# Altium PCB WunderBar_v102b.PcbDoc (part 6 of 7) (continued)
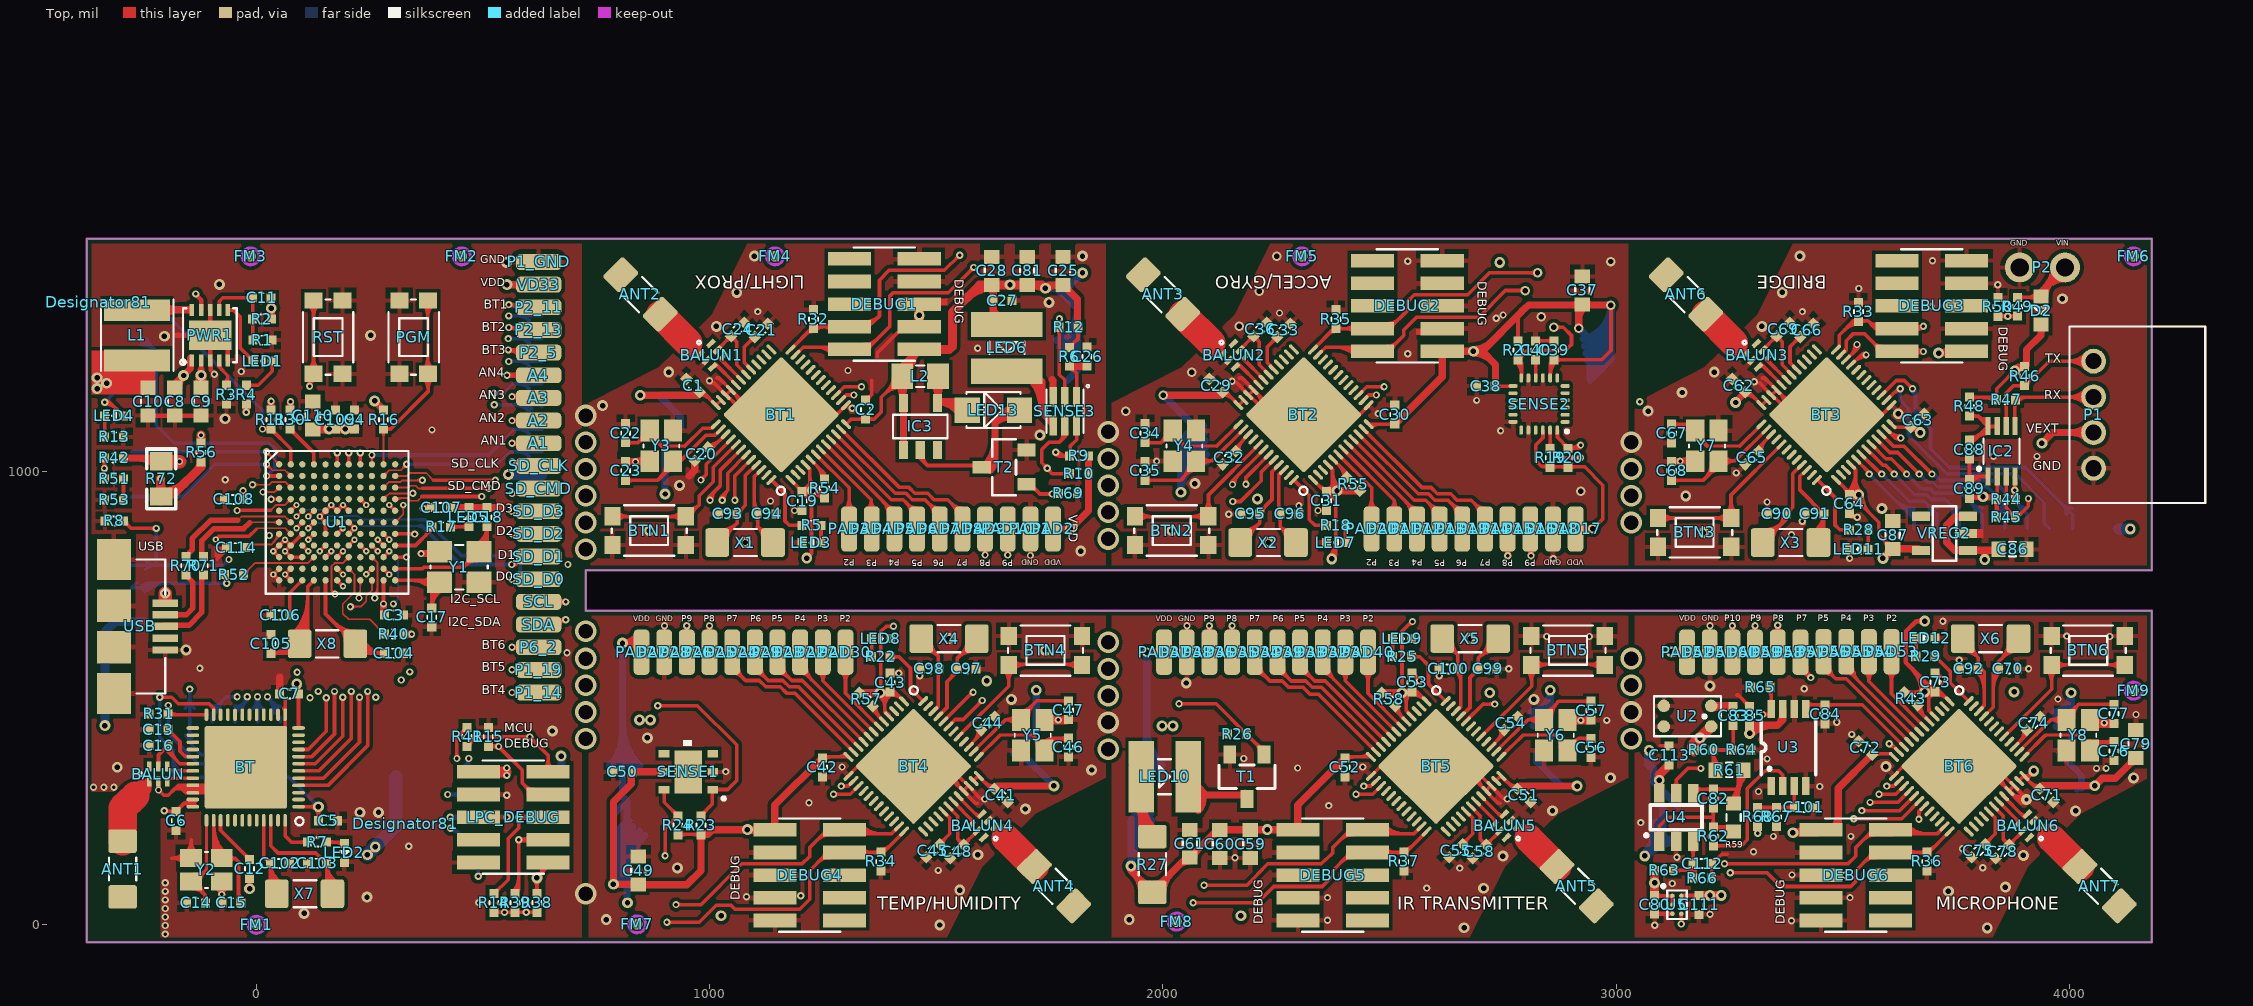
[diagram p0: Top view]
## Nets (pads, with @x,y where several pads share a name; then routed paths per layer and width w, separated by ;. In a path a pad name is that pad's centre, name@x,y a point inside that pad or via, vN(x,y) a via of type N, cw(c..) or ccw(c..) an arc to the next point about the centre after c; other vN are vias at no path point) (continued)
  Top w20: C110.1@131.38,1093.62 C109.1@173.46,1093.62 ; C109.1@174.11,1093.62 C4.1@216.76,1093.62 ; DEBUG1.1@1434.48,1269.48 1527.48,1269.48 1535.48,1276.48 1535.48,1351.48 1595.48,1411.48 1622.48,1411.48 v2@1733.48,1411.48 ; 1568.91,1384.91 cw(c1620.98,1332.85) C28.1@1620.98,1406.48 ; 1718.75,1411.48 cw(c1718.75,1382.75) v2@1739.07,1403.07 ; v2(3121.86,602) 3122.38,601.48 PAD52.1@3156.5,601.48 ; PAD52.1@3151.19,596.18 ccw(c3138.39,583.37) 3138.39,601.48 ccw(c3138.39,619.59) PAD52.1@3151.19,606.78 ; C111.1@3183,65 v2(3207,65) v2(3232,65) ; v7(3681,513.91) C73.1@3703.38,513.91
  Top w24: LPC_DEBUG.1@489.71,337.48 550,337.48
  Route2 w16: v2(1025,20) 1025,98 1083,156 v7(1083,210) ; v2(2172,20) 2172,98 2230,156 v7(2230,210) ; v7(2685,1265.48) 2685,1319.48 2743,1377.48 v2(2743,1461.48)
  Route2 w20: v2@1212.59,810.41 ccw(c1180.2,842.8) 1226,842.8 ; v2(1214,809) 1226,821 v7(1226,957.95) ; v7(1375.78,511.87) 1536.27,511.87 1562.4,538 v2(1611.27,538) ; v2(2208.5,939.77) 2226.5,957.77 v7(2384,957.77) ; v7(2527.48,512.02) v2(2720.98,512.02) ; v2(3232,65) 3279,65 3390,176 v7(3390,203)
  Route2 w24: v4(726.48,410.48) 793.48,410.48 835,452 v2(869,452) ; v4@732.49,404.47 cw(c747,389.96) 747,410.48 cw(c747,431) v4@732.49,416.49 ; 827.93,444.93 cw(c845,427.86) v2(845,452) ; v4(1879.48,387.48) 1946.48,387.48 v2(1998,439) v2(2022,439) ccw(c2022,381.06) 1981.03,422.03 ; v4@1885.49,381.47 cw(c1900,366.96) 1900,387.48 cw(c1900,408) v4@1885.49,393.49 ; v7(3681,513.91) v2@3878,513.91
  Route15 w4: 96.49,913.6 99.6,913.6 101.68,915.68 124.58,915.68 125.77,914.48
  Route15 w8: 125.77,914.48 v3(139.4,900.86)
  Bottom w8: WIFI.31@-157.42,477.88 ccw(c-181.32,501.78) -147.52,501.78 ccw(c-113.72,501.78) WIFI.31@-137.62,477.88 ; WIFI.31@-155.76,417.66 cw(c-167.53,401.48) -147.52,401.48 ; v1@-150.35,517.17 cw(c-157.18,510.34) -147.52,510.34 cw(c-137.86,510.34) v1@-144.69,517.17 ; v1(-147.52,520) WIFI.31@-147.52,448.48 -147.52,401.48 ; WIFI.31@-139.28,417.66 ccw(c-127.51,401.48) -147.52,401.48 ; -59.56,351.52 ccw(c-23.25,387.83) NRF_DEBUG.1@-23.25,336.48 ; -45.9,337.86 ccw(c-23.25,360.52) NRF_DEBUG.1@-23.25,328.48 ; NRF_DEBUG.1@49.53,317.7 cw(c68.31,298.92) 68.31,325.48 cw(c68.31,352.04) NRF_DEBUG.1@49.53,333.26 ; v2@128.48,260.48 ccw(c109.17,260.48) 122.82,274.14 ccw(c136.48,287.79) v2@136.48,268.48 ; v2(136.48,260.48) 71.48,325.48 -33.52,325.48 -83.52,375.48 -122.52,375.48 -147.52,401.48 ; WIFI_DEBUG.1@602.48,328.48 634.48,328.48 WIFI_DEBUG.1@643.48,337.48
  Bottom w16: WIFI_DEBUG.1@672.04,336.18 v2(672.04,372.33) ; v2@672.04,363.35 ccw(c701.62,363.35) WIFI_DEBUG.1@680.7,342.43 ; 673.74,356.98 cw(c690.74,361.54) v2@675.5,370.33 ; BAT4.+2@778.97,351.98 ccw(c710.13,420.81) 807.48,420.81 ; v2@787.48,85.01 cw(c907.91,85.01) BAT4.+2@846.96,188.88 ; v2(787.48,89.48) 787.48,243.48 BAT4.+2@817.48,273.48 ; 787.48,112.95 cw(c891.52,112.95) BAT4.+2@838.86,202.68 ; 787.48,140.89 cw(c875.12,140.89) BAT4.+2@830.76,216.48 ; 787.48,168.83 cw(c858.72,168.83) BAT4.+2@822.66,230.27 ; BAT4.+2@789.94,196.18 cw(c723.44,129.68) 817.48,129.68 ; BAT4.+2@790.28,340.66 ccw(c748.76,382.18) 807.48,382.18 ; BAT4.+2@801.25,207.49 cw(c762.06,168.31) 817.48,168.31 ; 807.48,404.98 ccw(c898.44,404.98) BAT4.+2@834.12,340.66 ; 807.48,443.61 ccw(c937.07,443.61) BAT4.+2@845.44,351.98 ; v2(807.48,621.48) 807.48,283.48 BAT4.+2@817.48,273.48 ; 817.48,60.55 ccw(c830.55,60.55) v2@821.31,51.31 ; 817.48,102.21 cw(c950.37,102.21) BAT4.+2@856.4,196.18 ; 817.48,140.84 cw(c911.75,140.84) BAT4.+2@845.09,207.49 ; v2(818.48,48.48) 817.48,50.48 BAT4.+2@817.48,273.48 ; v2(846.48,1168.48) 887.48,1168.48 935.48,1120.48 935.48,1096.48 901.48,1062.48 v2(901.48,950.48) ; v2(1720.48,517.48) 1720.48,428.48 1670.48,378.48 1687.48,378.48 v2(1759.48,306.48) ; BAT1.+2@1765.4,1289.8 ccw(c1735.77,1359.48) 1811.48,1359.48 ; BAT1.+2@1771.66,1275.08 ccw(c1746.05,1335.28) 1811.48,1335.28 ; BAT1.+2@1777.92,1260.35 ccw(c1756.34,1311.09) 1811.48,1311.09 ; BAT1.+2@1789.48,1201.48 1811.48,1223.48 1811.48,1359.48 ; v2(1822.48,1438.48) 1789.48,1404.48 v2(1740.48,1404.48) 1765.48,1404.48 1811.48,1359.48 ; v2(1929.48,129.48) 1929.48,232.48 1970.48,273.48 1964.48,280.48 v8(1964.48,601.48) ; v2@1929.48,137.95 cw(c1991.16,137.95) BAT5.+2@1981.18,198.82 ; 1929.48,156.79 cw(c1988.07,156.79) BAT5.+2@1978.6,214.61 ; BAT5.+2@1929.48,175.62 cw(c1984.99,175.62) BAT5.+2@1976.01,230.4 ; BAT5.+2@1929.48,194.46 cw(c1981.9,194.46) BAT5.+2@1973.42,246.19 ; 1931.23,144.49 ccw(c1947.79,140.05) v2@1932.94,131.48 ; BAT5.+2@1931.97,351.98 ccw(c1853.47,430.47) 1964.48,430.47 ; BAT5.+2@1943.28,340.66 ccw(c1892.1,391.84) 1964.48,391.84 ; 1964.48,395.32 ccw(c2041.78,395.32) BAT5.+2@1987.12,340.66 ; 1964.48,433.95 ccw(c2080.41,433.95) BAT5.+2@1998.44,351.98 ; v6(2000.48,1168.48) 2072.48,1096.48 2088.48,1096.48 2039.48,1047.48 v2(2039.48,954.48) ; v2@2039.48,957.9 cw(c2103.45,957.9) BAT2.+1@2097.2,1021.56 ; 2039.48,975.54 cw(c2101.72,975.54) BAT2.+1@2095.64,1037.48 ; 2039.48,993.19 cw(c2099.98,993.19) BAT2.+1@2094.07,1053.41 ; 2039.48,1010.84 cw(c2098.25,1010.84) BAT2.+1@2092.51,1069.33 ; 2039.48,1028.49 cw(c2096.52,1028.49) BAT2.+1@2090.94,1085.25 ; 2039.48,1046.14 cw(c2094.79,1046.14) BAT2.+1@2089.38,1101.18 ; BAT5.+1@2812.83,470.17 ccw(c2806.79,517.48) v2(2854.48,517.48) 2854.48,408.48 2824.48,378.48 2824.48,360.48 2878.48,306.48 v2@2913.48,306.48 ; BAT5.+1@2814.86,454.3 ccw(c2809.11,499.3) 2854.48,499.3 ; BAT5.+1@2816.89,438.43 ccw(c2811.43,481.13) BAT5.+1@2854.48,481.13 ; v6(2917.48,1316.48) 2942.48,1291.48 2942.48,1201.48 2988.48,1247.48 v6(2988.48,1367.48) cw(c2912.05,1367.48) BAT2.+2@2927.37,1292.59 ; BAT2.+2@2930.58,1276.92 ccw(c2916.06,1347.87) 2988.48,1347.87 ; BAT2.+2@2933.78,1261.24 ccw(c2920.07,1328.27) 2988.48,1328.27 ; BAT2.+2@2936.99,1245.57 ccw(c2924.08,1308.66) 2988.48,1308.66 ; BAT2.+2@2940.2,1229.89 ccw(c2928.09,1289.05) 2988.48,1289.05 ; BAT2.+2@2943.41,1214.22 ccw(c2932.11,1269.45) BAT2.+2@2988.48,1269.45 ; BAT3.+2@3073,354 3083,344 3083,314.76 BAT3.+2@3124.69,273.08 BAT3.+2@3136,261.76 ; BAT3.+2@3103,192 BAT3.+2@3103,257.76 ; BAT3.+1@3966.52,469.13 ccw(c3960.74,512) v2(4004,512) 4004,403.61 BAT3.+1@3978.28,377.88 4027,329.16 4027,302 4031.86,306.86 v2(4056.1,306.86) ; BAT3.+1@3968.65,453.27 ccw(c3963.21,493.7) 4004,493.7 ; BAT3.+1@3970.79,437.41 ccw(c3965.67,475.4) BAT3.+1@4004,475.4 ; BAT3.+1@4016.99,299.99 cw(c4033.6,283.38) BAT3.+1@4033.6,306.86
  Bottom w20: v2(-334.52,439.48) -334.52,646.48 -312,669 ; -313.13,667.87 ccw(c-338.73,693.48) WIFI.34@-302.52,693.48 ; WIFI.34@-302.51,693.18 cw(c-334.95,691.96) -312,669 ; -246,669 -312,669
  Bottom w24: v2(555.48,993.48) WIFI.9@630.48,993.48 ; 3072.54,161.54 cw(c3130.17,103.91) BAT3.+2@3130.17,185.41 ; BAT3.+2@3073,354 v2(3073,384.7) ; BAT3.+2@3087.49,223.16 cw(c3002.33,212.67) v2(3063,152) BAT3.+2@3103,192 ; PAD47.1@4107.13,873.48 v2(4134.48,873.48)
  other v1: -203.52,251.48 552,329.52 552,346 280,708 -30,957.52
  other v2: 3878,514 3588.48,808.48 3809.48,944.48 160,1094 196,1094 -352,1183 -331,1195 -352,1207 32.48,1360.48 1662.46,1412.34
  other v4: 3033.48,410.48 3033.48,1005.48 1879.48,1028.48 726.48,1064.48
VD33_BUFFERED: C26.1 R6.2 SENSE3.1 | length 151.5
  Top w8: R6.2@1793.48,1226.48 cw(c1793.48,1211.99) 1803.72,1222.24 cw(c1813.97,1232.48) R6.2@1799.48,1232.48 ; R6.2@1793.48,1232.48 1809.48,1216.48 SENSE3.1@1809.48,1164.48 ; SENSE3.1@1806.65,1181.8 ccw(c1799.82,1188.63) 1809.48,1188.63 ccw(c1819.14,1188.63) SENSE3.1@1812.31,1181.8
  Top w16: R6.2@1793.48,1232.48 C26.1@1832.48,1232.48
VDOUT: C80.2 C85.2 C113.2 R60.1 R63.1 R68.1 U2.1 U3.7 U4.6 U5.1A U5.1B | length 1304.8
  Top w8: C80.2@3085,65 C80.2@3086.31,63.68 ; U2.1@3209.77,437.61 U2.1@3214.3,433.08
  Top w9: C80.2@3086.31,63.68 U5.1A@3124.16,63.68 U5.1B@3124.16,44 ; C80.2@3088.89,61.11 cw(c3095.1,54.9) 3095.1,63.69 ; C80.2@3088.89,68.89 ccw(c3101.45,81.45) 3101.45,63.68
  Top w16: C85.2@3294.4,440.03 3356.03,440.03 3367.6,451.6 U3.7@3367.6,476.32 ; v7@3297.22,419.57 cw(c3346.63,370.16) 3346.63,440.03 ; 3357.99,441.99 ccw(c3335.41,464.57) U3.7@3367.35,464.57
  Top w20: C80.2@3085,65 v2(3085,92.5) R63.1@3085,120 ; v7(3095,319) 3095,331 C113.2@3116.96,352.96 ; v7(3294.4,422.4) C85.2@3294.4,440.03
  Top w24: R60.1@3170.3,385.67 cw(c3200.41,385.67) v7@3179.12,406.96 ; R60.1@3170.62,384.59 cw(c3181.12,391.32) 3172.3,400.14 ; R60.1@3172.3,382.77 cw(c3212.29,382.77) v7(3185,412) ccw(c3190.53,394.63) R60.1@3172.3,394.63 ; R60.1@3172.3,385.67 3172.3,400.14 ; U2.1@3209.77,437.61 3172.3,400.14
  Route2 w16: 3095,224 3290.25,224 v5(3312.26,201.99)
  Route2 w24: 3095,116.64 cw(c3060.86,116.64) v2(3085,92.5) 3095,102.5 3095,224 v7(3095,319) v7@3186.5,410.5 ; v7@3187,411 3283,411 v7(3294.4,422.4) cw(c3266.88,449.91) 3266.88,411
VEXT: C86.1 D2.K P1.2 R46.2 R47.2 R48.2 VREG2.1 VREG2.3 | length 1508.3
  Top w8: R48.2@3779.48,1163.48 3834.48,1163.48 R47.2@3839.48,1158.48 3839.48,1182.48 v2(3879.48,1222.48) ; R48.2@3783.72,1160.24 cw(c3791.55,1152.41) 3791.55,1163.48 ; R48.2@3783.72,1168.72 ccw(c3796.38,1181.38) 3796.38,1163.48 ; 3812.92,1163.48 cw(c3812.92,1131.92) R47.2@3835.24,1154.24 ; R47.2@3835.24,1162.72 ccw(c3824.99,1172.97) 3839.48,1172.97 ccw(c3853.97,1172.97) R47.2@3843.72,1162.72 ; v2@3871.48,1222.48 cw(c3852.17,1222.48) 3865.82,1208.82 cw(c3879.48,1195.17) v2@3879.48,1214.48
  Top w10: 3812.48,826.16 3813.33,825.31
  Top w15.98: v2(3813.33,805.77) 3813.33,825.31
  Top w16: VREG2.1@3779.48,826.48 3746.48,826.48 3729.48,843.48 3729.48,881.48 3748.48,900.48 VREG2.3@3779.48,900.48 ; VREG2.1@3781.48,826.16 3812.48,826.16 C86.1@3843.48,826.16 ; 3823.89,826.16 ccw(c3823.89,847.07) C86.1@3838.68,832.28 ; 3827.86,826.16 cw(c3827.86,810.86) C86.1@3838.68,821.68 ; v2@3882.84,1220.31 cw(c3901.48,1208.32) R46.2@3901.48,1230.48 ; R46.2@3900.07,1232.89 ccw(c3886.99,1245.97) 3905.48,1245.97 ; R46.2@3901.16,1229.51 ccw(c3897.2,1204.76) v2(3879.48,1222.48) 3887.48,1230.48 R46.2@3901.48,1230.48 ; D2.K@3932.18,1319.18 cw(c3919.37,1306.37) 3937.48,1306.37 cw(c3955.59,1306.37) D2.K@3942.78,1319.18 ; D2.K@3937.48,1325.48 3937.48,1300.48 3905.48,1269.48 3905.48,1234.48 R46.2@3901.48,1230.48 ; v2(3939.52,1062.48) 3963.52,1086.48 P1.2@4053.58,1086.48 ; 4005.47,1086.48 cw(c4005.47,1038) P1.2@4039.75,1072.28 ; 4007.25,1086.48 ccw(c4007.25,1132.44) P1.2@4039.75,1099.94
  Route15 w15.98: v2(3813.33,805.77) 3913.92,805.77
  Route15 w16: v2(3879.48,1222.48) 3916.66,1184.8 3916,1086.48 3970.44,1032.04 3970.44,862.29 3913.92,805.77
VPOWER: D2.A P2.2 R49.2 | length 347.8
  Top w8: R49.2@3885.48,1384.48 D2.A@3927.48,1384.48 ; R49.2@3889.72,1380.24 cw(c3899.97,1369.99) 3899.97,1384.48 cw(c3899.97,1398.97) R49.2@3889.72,1388.72 ; 3904.6,1384.48 ccw(c3904.6,1417.37) D2.A@3927.85,1394.11 ; 3911.84,1384.48 cw(c3911.84,1361.84) D2.A@3927.85,1377.85
  Top w16: D2.A@3927.48,1384.48 3935.48,1384.48 3937.48,1386.48 D2.A@3937.48,1396.48 ; D2.A@3929.48,1388.48 D2.A@3937.48,1396.48 ; D2.A@3946.48,1386.05 cw(c3993.35,1386.49) 3959.9,1419.32 ; P2.2@3965.48,1450.25 cw(c3905.13,1449.68) 3948.2,1407.41 cw(c3991.28,1365.13) P2.2@3990.71,1425.48 ; P2.2@3990.48,1450.48 D2.A@3937.48,1396.48
WIFI_!RESET: R11.1 U1.A2 WIFI.47 | length 703.7
  Top w8: v1(13,1094) 13.19,1093.81 R11.1@31.7,1093.81 75.41,1050.1 U1.A2@75.41,1015.92 ; v1@15.41,1090.81 cw(c20.68,1083.84) R11.1@22.94,1092.28 ; v1@15.78,1096.88 ccw(c20.55,1101.81) R11.1@22.33,1095.18 ; v1@15.83,1091.17 cw(c22.2,1084.8) R11.1@22.2,1093.81 ; v1@15.83,1096.83 ccw(c23.11,1104.11) R11.1@23.11,1093.81 ; R11.1@27.46,1089.57 ccw(c17.21,1079.33) 17.21,1093.81 ccw(c17.21,1108.3) R11.1@27.46,1098.05 ; R11.1@31.7,1087.81 cw(c31.7,1073.33) 41.94,1083.57 cw(c52.18,1093.81) R11.1@37.7,1093.81 ; U1.A2@73.29,1018.05 ccw(c68.17,1023.17) 75.41,1023.17 ccw(c82.65,1023.17) U1.A2@77.53,1018.05
  Bottom w8: WIFI.47@-262.52,1355.48 -275.52,1343.48 -195.48,1343.48 13,1135 v1(13,1094) ; WIFI.47@-245.62,1333.58 cw(c-221.72,1309.68) -221.72,1343.48 cw(c-221.72,1377.28) WIFI.47@-245.62,1353.38 ; v1@10.17,1096.83 ccw(c3.34,1103.66) 13,1103.66 ccw(c22.66,1103.66) v1@15.83,1096.83
WIFI_ALARM1: U1.A9 WIFI.7 | length 529.1
  Top w4: v1@250.3,1032.3 cw(c240.06,1022.06) 254.55,1022.06 cw(c269.03,1022.06) v1@258.79,1032.3 ; U1.A9@251.01,1019.45 ccw(c242.47,1027.99) 254.55,1027.99 ccw(c266.62,1027.99) U1.A9@258.08,1019.45 ; U1.A9@254.55,1015.92 v1(254.55,1036.55)
  Bottom w8: v1(254.55,1036.55) 511.55,1036.55 568.48,1093.48 WIFI.7@629.48,1093.48 ; v1@257.37,1033.72 cw(c264.2,1026.89) 264.2,1036.55 cw(c264.2,1046.2) v1@257.37,1039.37 ; WIFI.7@601.08,1083.58 ccw(c577.18,1059.68) 577.18,1093.48 ccw(c577.18,1127.28) WIFI.7@601.08,1103.38
WIFI_INTF_SEL: R52.1 WIFI.35 | length 411.8
  Top w8: R52.1@-73.94,767.32 cw(c-82.3,753.19) v1@-65.89,753.19 ; R52.1@-71.37,772 R52.1@-70.89,772.48 ; v1@-68.72,756.68 ccw(c-75.55,763.51) -65.89,763.51 ccw(c-56.23,763.51) v1@-63.06,756.68 ; v1(-65.89,753.85) R52.1@-65.89,772.48
  Bottom w8: WIFI.35@-275.52,743.48 WIFI.35@-265.52,753.48 ; WIFI.35@-275.02,743.48 -255.51,743.48 -245.14,753.85 v1(-65.89,753.85) ; WIFI.35@-256.93,744.89 cw(c-235.31,723.27) -235.31,753.85 ; WIFI.35@-251.28,739.24 cw(c-216,703.96) -216,753.85 ; WIFI.35@-245.62,733.58 cw(c-196.69,684.65) -196.69,753.85 ; v1@-68.72,751.02 ccw(c-75.55,744.19) -75.55,753.85 ccw(c-75.55,763.51) v1@-68.72,756.68
WIFI_INTF_SEL2: R52.2 U1.J4 | length 221.1
  Top w4: R52.2@-29.22,772.48 -3.26,798.44 113.76,798.44 U1.J4@126.57,811.24 ; R52.2@-29.22,780.48 ccw(c-29.22,799.79) -15.56,786.14 ccw(c-1.91,772.48) R52.2@-21.22,772.48 ; U1.J4@121.57,811.24 cw(c109.5,811.24) 118.03,802.71 cw(c126.57,794.17) U1.J4@126.57,806.24
WIFI_JTAG_!NTRST: WIFI.6 WIFI_DEBUG.10 | length 1354.7
  Route2 w8: v1@485,107 ccw(c475.34,107) 482.17,113.83 ccw(c489,120.66) v1@489,111 ; v1(489,107) 469.91,126.09 469.91,338.58 485.91,354.58 485.91,374.43 473,387.34 473,957 524.48,1008.48 v1(524.48,1147.48) ; v1@521.65,1144.65 cw(c514.82,1137.82) 524.48,1137.82 cw(c534.14,1137.82) v1@527.31,1144.65
  Bottom w8: v1@486.17,109.83 ccw(c479.34,116.66) 489,116.66 ccw(c498.66,116.66) v1@491.83,109.83 ; v1(489,107) WIFI_DEBUG.10@489,137.48 ; v1(524.48,1147.48) 625.48,1147.48 WIFI.6@629.48,1143.48 ; v1@527.31,1144.65 cw(c534.14,1137.82) 534.14,1147.48 cw(c534.14,1157.14) v1@527.31,1150.31 ; 567.52,1147.48 cw(c567.52,1100.02) WIFI.6@601.08,1133.58 ; WIFI.6@601.08,1153.38 cw(c586.84,1167.62) 586.84,1147.48 cw(c586.84,1119.34) WIFI.6@606.74,1139.24
WIFI_JTAG_TCK: WIFI.2 WIFI_DEBUG.4 | length 1433
  Route2 w8: v1@417.48,287.48 ccw(c407.82,287.48) 414.65,294.31 ccw(c421.48,301.14) v1@421.48,291.48 ; v1(421.48,287.48) 393,315.96 393,395.19 403,405.19 403,967 443,1007 443,1230 v1(556.48,1343.48) ; v1@552.48,1343.48 cw(c542.82,1343.48) 549.65,1336.65 cw(c556.48,1329.82) v1@556.48,1339.48
  Bottom w8: v1(421.48,287.48) WIFI_DEBUG.4@490.48,287.48 ; v1@424.31,284.65 cw(c431.14,277.82) 431.14,287.48 cw(c431.14,297.14) v1@424.31,290.31 ; WIFI_DEBUG.4@449.2,279.7 ccw(c430.42,260.92) 430.42,287.48 ccw(c430.42,314.04) WIFI_DEBUG.4@449.2,295.26 ; v1(556.48,1343.48) WIFI.2@629.48,1343.48 ; v1@559.31,1340.65 cw(c566.14,1333.82) 566.14,1343.48 cw(c566.14,1353.14) v1@559.31,1346.31 ; WIFI.2@601.08,1333.58 ccw(c577.18,1309.68) 577.18,1343.48 ccw(c577.18,1377.28) WIFI.2@601.08,1353.38
WIFI_JTAG_TDI: WIFI.4 WIFI_DEBUG.8 | length 1395.4
  Route2 w8: v1(428,213) 444,213 456,225 456,307 423,340 423,375.63 439,391.63 439,963.67 486,1010.67 486,1172.52 v1(556.48,1243) ; v1@430.83,210.17 cw(c437.66,203.34) 437.66,213 cw(c437.66,222.66) v1@430.83,215.83 ; v1@552.48,1243 cw(c542.82,1243) 549.65,1236.17 cw(c556.48,1229.34) v1@556.48,1239
  Bottom w8: v1@427,211 438,211 ; v1@428,209 cw(c428,180.03) WIFI_DEBUG.8@448.49,200.51 ; v1@431.53,214.88 ccw(c438,218.33) 438,211 ; WIFI_DEBUG.8@490.48,187.48 461.52,187.48 438,211 ; v1@556.48,1243.48 WIFI.4@629.48,1243.48 ; v1@559.31,1240.17 cw(c567.3,1232.18) 567.3,1243.48 ; v1@559.31,1245.83 ccw(c564.98,1251.5) 564.98,1243.48 ; WIFI.4@601.08,1233.58 ccw(c577.18,1209.68) 577.18,1243.48 ccw(c577.18,1277.28) WIFI.4@601.08,1253.38
WIFI_JTAG_TDO: WIFI.3 WIFI_DEBUG.6 | length 1443.4
  Route2 w8: v1(427.48,237.48) 441.89,251.89 441.89,293.11 408,327 408,384.94 422,398.94 422,966.33 465,1009.33 465,1178 537,1250 537,1276 v1@554.98,1293.98 ; v1@427.48,241.48 ccw(c427.48,251.14) 434.31,244.31 ccw(c441.14,237.48) v1@431.48,237.48 ; 546.94,1285.94 cw(c555.48,1277.41) v1@555.48,1289.48
  Bottom w8: v1(427.48,237.48) WIFI_DEBUG.6@490.48,237.48 ; v1@429.48,234.02 cw(c435.61,223.4) 438.78,235.24 ; v1@429.48,240.94 ccw(c435.61,251.56) 438.78,239.72 ; v1@430.31,234.65 cw(c437.14,227.82) 437.14,237.48 cw(c437.14,247.14) v1@430.31,240.31 ; WIFI_DEBUG.6@449.2,229.7 ccw(c430.42,210.92) 430.42,237.48 ccw(c430.42,264.04) WIFI_DEBUG.6@449.2,245.26 ; v1(555.48,1293.48) WIFI.3@629.48,1293.48 ; v1@558.31,1290.65 cw(c565.14,1283.82) 565.14,1293.48 cw(c565.14,1303.14) v1@558.31,1296.31 ; WIFI.3@601.08,1283.58 ccw(c577.18,1259.68) 577.18,1293.48 ccw(c577.18,1327.28) WIFI.3@601.08,1303.38
WIFI_JTAG_TMS: WIFI.5 WIFI_DEBUG.2 | length 1173.7
  Route2 w8: v1@464,367 ccw(c454.34,367) 461.17,373.83 ccw(c468,380.66) v1@468,371 ; v1(468,367) 457,378 457,962 506,1011 506,1155 v1(524,1173) ; v1@520,1173 cw(c510.34,1173) 517.17,1166.17 cw(c524,1159.34) v1@524,1169
  Bottom w8: WIFI_DEBUG.2@453.85,348.02 ccw(c448.2,367) v1(468,367) 468,348 478.52,337.48 WIFI_DEBUG.2@490.48,337.48 ; WIFI_DEBUG.2@456.13,340.36 ccw(c451.39,356.27) 468,356.27 ; v1@464.54,365 cw(c456.17,360.17) 465.5,357.67 cw(c474.83,355.17) v1@470,363.54 ; v1@465.17,364.17 cw(c458.34,357.34) 468,357.34 cw(c477.66,357.34) v1@470.83,364.17 ; v1(524,1173) 545,1173 565.48,1193.48 WIFI.5@629.48,1193.48 ; v1@526.83,1170.17 cw(c533.66,1163.34) 533.66,1173 cw(c533.66,1182.66) v1@526.83,1175.83 ; WIFI.5@601.08,1183.58 ccw(c577.18,1159.68) 577.18,1193.48 ccw(c577.18,1227.28) WIFI.5@601.08,1203.38
WIFI_LED1A: LED4.A WIFI.44 | length 279.4
  Top w8: v1@-335.01,1149 cw(c-335.01,1112.17) -308.97,1138.21 ; v1(-335.01,1153) -323.75,1153 LED4.A@-293.68,1122.93 ; v1@-335.01,1157 cw(c-335.01,1139.49) -322.62,1151.87 ; v1@-332.18,1150.17 cw(c-325.35,1143.34) -325.35,1153 cw(c-325.35,1162.66) v1@-332.18,1155.83 ; LED4.A@-299.68,1122.93 ccw(c-314.17,1122.93) -303.93,1133.17 ccw(c-293.68,1143.42) LED4.A@-293.68,1128.93
  Bottom w8: v1(-335.01,1153) -294.53,1193.48 WIFI.44@-275.02,1193.48 ; v1@-335.01,1157 ccw(c-335.01,1166.66) -328.18,1159.83 ccw(c-321.35,1153) v1@-331.01,1153 ; -318.43,1169.57 cw(c-294.52,1145.66) WIFI.44@-294.52,1179.48 ; -318.41,1169.6 ccw(c-342.3,1193.48) WIFI.44@-308.52,1193.48
WIFI_LED1K: LED4.K R13.2 | length 91.9
  Top w8: R13.2@-339.6,1080.76 ccw(c-349.84,1091.01) -335.35,1091.01 ccw(c-320.87,1091.01) R13.2@-331.11,1080.76 ; LED4.K@-339.6,1118.69 cw(c-349.84,1108.45) -335.35,1108.45 cw(c-320.87,1108.45) LED4.K@-331.11,1118.69 ; R13.2@-335.35,1076.52 LED4.K@-335.35,1122.93
WIFI_PGM: R8.2 U1.F3 WIFI.36 | length 939.7
  Top w4: v3@87.98,875 U1.F3@100.99,888.01 ; v3@88.01,876.22 ccw(c86.1,885.57) 95.32,883.1 ; v3@88.37,876.23 ccw(c89.34,882.61) 95.36,880.27 ; v3@89.19,875.04 cw(c98.55,873.12) 96.08,882.34 ; v3@89.2,875.39 cw(c95.59,876.36) 93.25,882.38 ; U1.F3@95.99,888.01 cw(c83.91,888.01) 92.45,879.47 cw(c100.99,870.94) U1.F3@100.99,883.01 ; U1.F3@96.75,883.77 cw(c88.22,892.31) 88.22,880.24 ccw(c88.22,892.31) U1.F3@96.75,883.77 ; U1.F3@96.75,883.77 ccw(c105.29,875.24) 93.22,875.24 cw(c105.29,875.24) U1.F3@96.75,883.77 ; v3@87.67,880.21 ccw(c86.47,891.18) 96.02,885.66 cw(c86.47,891.18) v3@87.67,880.21 ; v3@89.51,880.07 ccw(c91.26,886.62) 94.65,880.74 cw(c91.26,886.62) v3@89.51,880.07 ; v3@93.04,876.53 cw(c99.59,878.29) 93.72,881.67 ccw(c99.59,878.29) v3@93.04,876.53 ; v3@93.19,874.69 cw(c104.15,873.49) 98.64,883.04 ccw(c104.15,873.49) v3@93.19,874.69
  Top w8: R8.2@-293.23,885.13 cw(c-293.23,870.49) -282.88,880.84 ; R8.2@-293.23,891.13 R8.2@-293.23,891.13 -276.65,874.61 v1(-221.39,874.61) ; R8.2@-287.23,891.13 ccw(c-272.89,891.13) -283.03,880.99 ; v1@-224.22,871.78 ccw(c-231.05,864.95) -231.05,874.61 ccw(c-231.05,884.27) v1@-224.22,877.44
  Route15 w4: v1(-61,806) 66,806 88.22,828.22 v3(88.22,875.24) ; v1@-56.76,801.76 cw(c-46.51,791.51) -46.51,806 cw(c-46.51,820.49) v1@-56.76,810.24 ; v3@84.68,871.7 cw(c76.14,863.17) 88.22,863.17 cw(c100.29,863.17) v3@91.75,871.7
  Bottom w8: WIFI.36@-275.52,793.48 WIFI.36@-275.02,793.48 -73.52,793.48 v1(-61,806) ; WIFI.36@-245.62,783.58 cw(c-221.72,759.68) -221.72,793.48 cw(c-221.72,827.28) WIFI.36@-245.62,803.38 ; v1@-224.22,871.78 cw(c-231.05,864.95) -221.39,864.95 cw(c-211.73,864.95) v1@-218.56,871.78 ; -221.39,793.48 v1(-221.39,874.61) ; -67.83,799.17 cw(c-61,792.34) -61,802 ccw(c-61,792.34) -67.83,799.17 ; -67.83,799.17 ccw(c-74.66,806) -65,806 cw(c-74.66,806) -67.83,799.17
WIFI_RTC_OUT: U1.B10 WIFI.8 | length 481.3
  Top w4: U1.B10@280.14,990.34 292.8,1003 318,1003 v1(331,1016) ; U1.B10@280.14,995.34 ccw(c280.14,1007.41) 288.68,998.88 ccw(c297.22,990.34) U1.B10@285.14,990.34 ; v1@325,1016 cw(c310.51,1016) 320.76,1005.76 cw(c331,995.51) v1@331,1010
  Bottom w8: v1(331,1016) 531,1016 558.48,1043.48 WIFI.8@629.48,1043.48 ; v1@333.83,1013.17 cw(c340.66,1006.34) 340.66,1016 cw(c340.66,1025.66) v1@333.83,1018.83 ; WIFI.8@601.08,1033.58 ccw(c577.18,1009.68) 577.18,1043.48 ccw(c577.18,1077.28) WIFI.8@601.08,1053.38
WIFI_SPI_IRQ: U1.B1 WIFI.46 | length 724.1
  Top w8: v1(22,990.36) U1.B1@49.81,990.36 ; v1@24.83,987.53 cw(c31.66,980.7) 31.66,990.36 cw(c31.66,1000.01) v1@24.83,993.19 ; U1.B1@47.69,988.24 ccw(c42.57,983.11) 42.57,990.36 ccw(c42.57,997.6) U1.B1@47.69,992.48
  Bottom w8: WIFI.46@-275.52,1293.48 -248.52,1293.48 -221.4,1266.36 ; WIFI.46@-255.28,1287.48 cw(c-254.17,1259.44) -234.33,1279.29 ; WIFI.46@-254.97,1279.49 cw(c-253.19,1234.57) -221.4,1266.36 ; WIFI.46@-241.52,1293.48 ccw(c-224.62,1293.48) -236.57,1281.53 ; v1(22,990.36) 40.59,1008.95 40.59,1050.81 29.28,1062.12 -181.44,1062.12 -221.4,1102.09 -221.4,1266.36 ; v1@22,994.36 ccw(c22,1004.01) 28.83,997.19 ccw(c35.66,990.36) v1@26,990.36
WIFI_SPI_MISO: U1.D1 WIFI.27 | length 771.9
  Top w4: v1@32,939.21 U1.D1@49.81,939.21 ; v1@36.24,934.76 cw(c46.98,924.02) U1.D1@46.98,939.21 ; v1@36.24,943.24 ccw(c45.99,952.99) U1.D1@45.99,939.21 ; v1@37.16,942.06 ccw(c40.59,944.1) 41.62,940.25 ccw(c43.22,934.29) v1@37.53,936.68 ; v1@37.53,936.67 cw(c40.2,935.54) 40.96,938.34 cw(c42.3,943.34) v1@37.53,941.33 ; U1.D1@46.28,935.67 ccw(c37.74,927.14) 37.74,939.21 ccw(c37.74,951.28) U1.D1@46.28,942.74
  Route2 w8: 11.51,523.49 cw(c-8.97,503) v1@20,503 ; v1(24,503) 24,511 7,528 7,914 v1(32,939) ; v1@28,939 cw(c18.34,939) 25.17,932.17 cw(c32,925.34) v1@32,935
  Bottom w8: v1@22.96,499.14 cw(c20.46,489.81) 28.83,494.64 cw(c37.19,499.47) v1@27.86,501.96 ; v1@24,499 cw(c24,489.34) 30.83,496.17 cw(c37.66,503) v1@28,503 ; 37.64,489.36 cw(c16.29,468.02) WIFI.27@46.48,467.99 ; WIFI.27@38.48,467.99 ccw(c-10.95,468.04) v1(24,503) 39,488 ; WIFI.27@40.52,475.26 ccw(c31.66,480.66) 39,488 ; WIFI.27@52.48,448.48 52.48,457.52 39,471 39,488 ; 39.74,487.26 ccw(c52.48,499.99) 52.48,481.98 cw(c52.48,499.99) 39.74,487.26